# Altium PCB JTAG批量下载板-V1.6-ASCII.PcbDoc (part 9 of 14)
Units mil, origin at the board's own origin, x right, y up, seen from the top; angles counter-clockwise.
Board outline 7947.6 x 7007.76 mil, 2 copper layers (Top Layer, Bottom Layer); 207 components, 340 nets, 1329 pads, 792 vias.
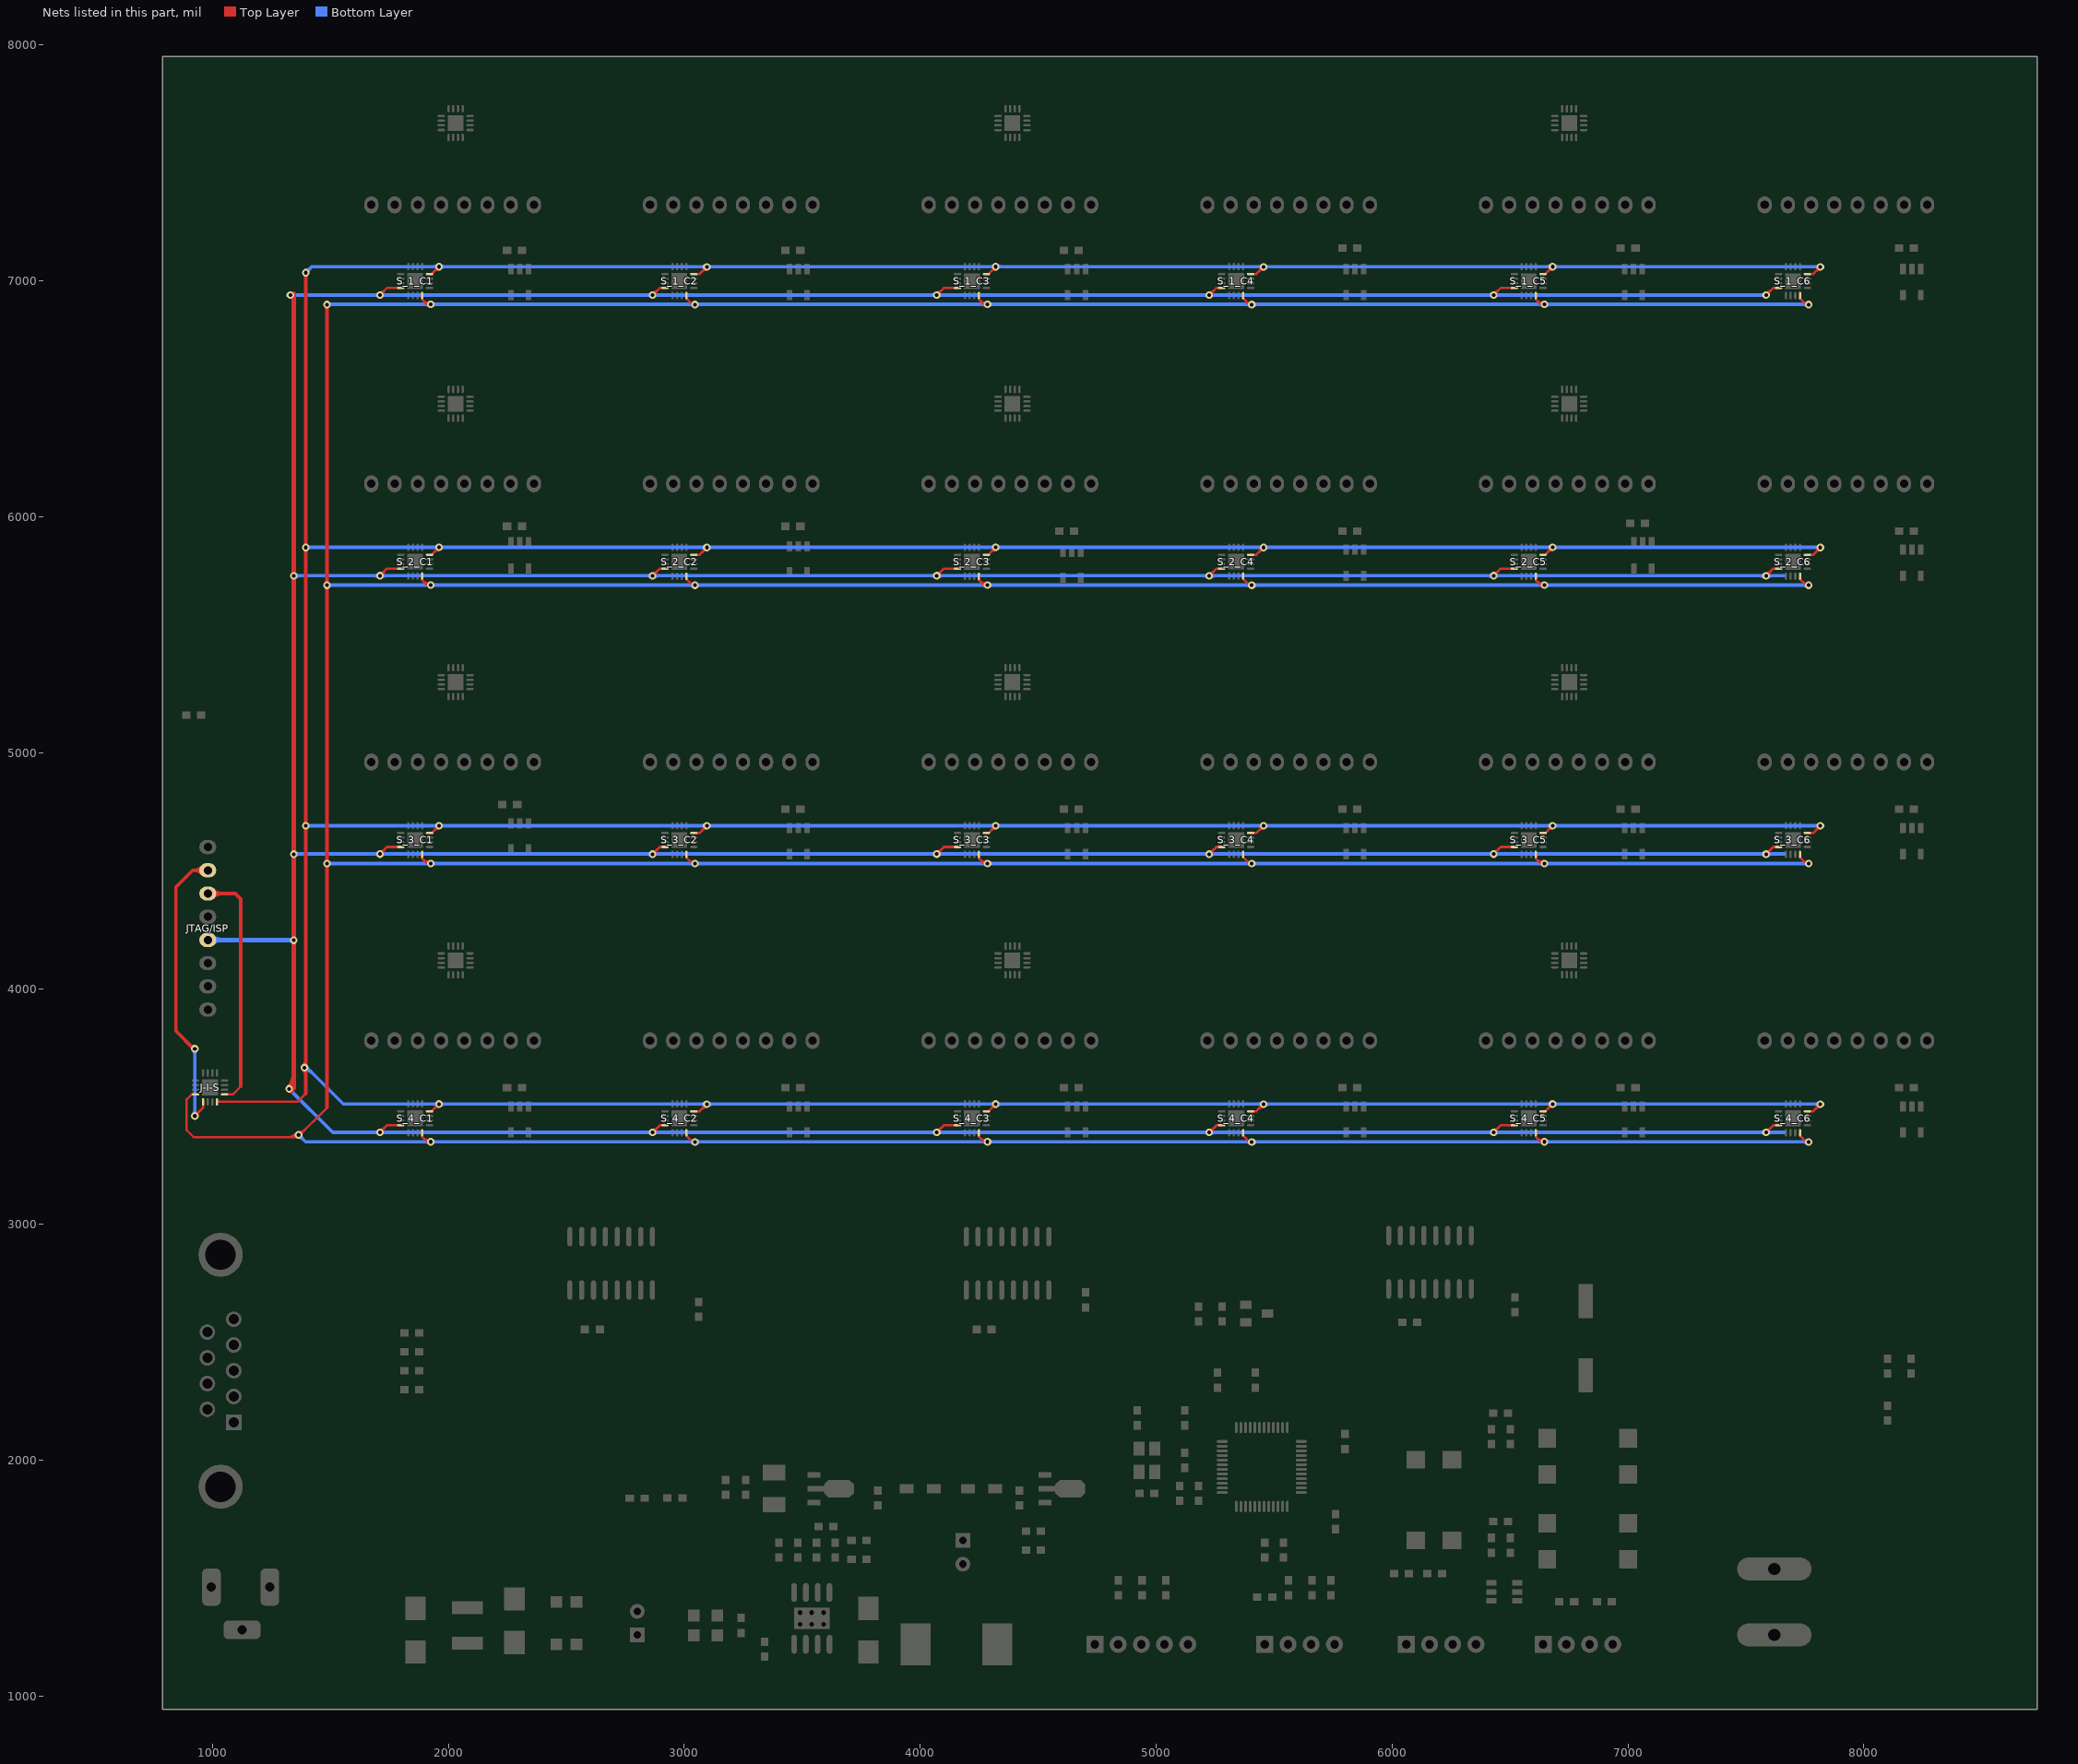
[diagram p9: the nets of this part, all layers, seen from the top]

## Via types
v1: diameter 32, hole 16, Top Layer to Bottom Layer, 721 vias
v2: diameter 50, hole 28, Top Layer to Bottom Layer, 45 vias
v3: diameter 40, hole 20, Top Layer to Bottom Layer, 26 vias

## Nets (pads, with @x,y where several pads share a name; then routed paths per layer and width w, separated by ;. In a path a pad name is that pad's centre, name@x,y a point inside that pad or via, vN(x,y) a via of type N, cw(c..) or ccw(c..) an arc to the next point about the centre after c; other vN are vias at no path point) (continued)
JTAG_TDI: J-I-S.4 S_1_C1.4 S_1_C2.4 S_1_C3.4 S_1_C4.4 S_1_C5.4 S_1_C6.4 S_2_C1.4 S_2_C2.4 S_2_C3.4 S_2_C4.4 S_2_C5.4 S_2_C6.4 S_3_C1.4 S_3_C2.4 S_3_C3.4 S_3_C4.4 S_3_C5.4 S_3_C6.4 S_4_C1.4 S_4_C2.4 S_4_C3.4 S_4_C4.4 S_4_C5.4 S_4_C6.4 | length 36566.6
  Top Layer w10: J-I-S.4@1019.06,3520 1360,3520 1395,3555 ; S_4_C1.4@1920,3479.56 1929.06,3479.61 v1(1960,3510.55) ; S_3_C1.4@1920,4659.56 1929.06,4659.61 v1(1960,4690.55) ; S_2_C1.4@1920,5839.56 1929.06,5839.61 v1(1960,5870.55) ; S_1_C1.4@1920,7029.61 1929.06,7029.61 v1(1960,7060.55) ; S_4_C2.4@3040,3479.56 3064.61,3479.61 v1(3095,3510) ; S_3_C2.4@3040,4659.56 3064.61,4659.61 v1(3095,4690) ; S_2_C2.4@3040,5839.61 3064.61,5839.61 v1(3095,5870) ; S_1_C2.4@3040,7029.61 3064.61,7029.61 v1(3095,7060) ; S_4_C3.4@4280,3479.56 4289.06,3479.61 v1(4320,3510.55) ; S_3_C3.4@4280,4659.56 4289.06,4659.61 v1(4320,4690.55) ; S_2_C3.4@4280,5839.61 4289.06,5839.61 v1(4320,5870.55) ; S_1_C3.4@4280,7029.61 4289.06,7029.61 v1(4320,7060.55) ; S_4_C4.4@5400,3479.56 5424.61,3479.61 v1(5455,3510) ; S_3_C4.4@5400,4659.56 5424.61,4659.61 v1(5455,4690) ; S_2_C4.4@5400,5839.56 5424.61,5839.61 v1(5455,5870) ; S_1_C4.4@5400,7029.56 5424.61,7029.61 v1(5455,7060) ; S_4_C5.4@6640,3479.56 6649.06,3479.61 v1(6680,3510.55) ; S_3_C5.4@6640,4659.56 6649.06,4659.61 v1(6680,4690.55) ; S_2_C5.4@6640,5839.61 6649.06,5839.61 v1(6680,5870.55) ; S_1_C5.4@6640,7029.61 6649.06,7029.61 v1(6680,7060.55) ; S_4_C6.4@7760,3479.56 7784.61,3479.61 v1(7815,3510) ; S_3_C6.4@7760,4659.56 7784.61,4659.61 v1(7815,4690) ; S_2_C6.4@7760,5839.61 7784.61,5839.61 v1(7815,5870) ; S_1_C6.4@7760,7029.61 7784.61,7029.61 v1(7815,7060) ; 1941.22,3491.77 cw(c1960,3472.99) 1960,3499.55 ccw(c1960,3472.99) 1941.22,3491.77 ; 1941.22,3491.77 ccw(c1922.44,3510.55) 1949,3510.55 cw(c1922.44,3510.55) 1941.22,3491.77 ; 1941.22,4671.77 cw(c1960,4652.99) 1960,4679.55 ccw(c1960,4652.99) 1941.22,4671.77 ; 1941.22,4671.77 ccw(c1922.44,4690.55) 1949,4690.55 cw(c1922.44,4690.55) 1941.22,4671.77 ; 1941.22,5851.77 cw(c1960,5832.99) 1960,5859.55 ccw(c1960,5832.99) 1941.22,5851.77 ; 1941.22,5851.77 ccw(c1922.44,5870.55) 1949,5870.55 cw(c1922.44,5870.55) 1941.22,5851.77 ; 1941.22,7041.77 cw(c1960,7022.99) 1960,7049.55 ccw(c1960,7022.99) 1941.22,7041.77 ; 1941.22,7041.77 ccw(c1922.44,7060.55) 1949,7060.55 cw(c1922.44,7060.55) 1941.22,7041.77 ; 3076.22,3491.22 cw(c3095,3472.44) 3095,3499 ccw(c3095,3472.44) 3076.22,3491.22 ; 3076.22,3491.22 ccw(c3057.44,3510) 3084,3510 cw(c3057.44,3510) 3076.22,3491.22 ; 3076.22,4671.22 cw(c3095,4652.44) 3095,4679 ccw(c3095,4652.44) 3076.22,4671.22 ; 3076.22,4671.22 ccw(c3057.44,4690) 3084,4690 cw(c3057.44,4690) 3076.22,4671.22 ; 3076.22,5851.22 cw(c3095,5832.44) 3095,5859 ccw(c3095,5832.44) 3076.22,5851.22 ; 3076.22,5851.22 ccw(c3057.44,5870) 3084,5870 cw(c3057.44,5870) 3076.22,5851.22 ; 3076.22,7041.22 cw(c3095,7022.44) 3095,7049 ccw(c3095,7022.44) 3076.22,7041.22 ; 3076.22,7041.22 ccw(c3057.44,7060) 3084,7060 cw(c3057.44,7060) 3076.22,7041.22 ; 4301.22,3491.77 cw(c4320,3472.99) 4320,3499.55 ccw(c4320,3472.99) 4301.22,3491.77 ; 4301.22,3491.77 ccw(c4282.44,3510.55) 4309,3510.55 cw(c4282.44,3510.55) 4301.22,3491.77 ; 4301.22,4671.77 cw(c4320,4652.99) 4320,4679.55 ccw(c4320,4652.99) 4301.22,4671.77 ; 4301.22,4671.77 ccw(c4282.44,4690.55) 4309,4690.55 cw(c4282.44,4690.55) 4301.22,4671.77 ; 4301.22,5851.77 cw(c4320,5832.99) 4320,5859.55 ccw(c4320,5832.99) 4301.22,5851.77 ; 4301.22,5851.77 ccw(c4282.44,5870.55) 4309,5870.55 cw(c4282.44,5870.55) 4301.22,5851.77 ; 4301.22,7041.77 cw(c4320,7022.99) 4320,7049.55 ccw(c4320,7022.99) 4301.22,7041.77 ; 4301.22,7041.77 ccw(c4282.44,7060.55) 4309,7060.55 cw(c4282.44,7060.55) 4301.22,7041.77 ; 5436.22,3491.22 cw(c5455,3472.44) 5455,3499 ccw(c5455,3472.44) 5436.22,3491.22 ; 5436.22,3491.22 ccw(c5417.44,3510) 5444,3510 cw(c5417.44,3510) 5436.22,3491.22 ; 5436.22,4671.22 cw(c5455,4652.44) 5455,4679 ccw(c5455,4652.44) 5436.22,4671.22 ; 5436.22,4671.22 ccw(c5417.44,4690) 5444,4690 cw(c5417.44,4690) 5436.22,4671.22 ; 5436.22,5851.22 cw(c5455,5832.44) 5455,5859 ccw(c5455,5832.44) 5436.22,5851.22 ; 5436.22,5851.22 ccw(c5417.44,5870) 5444,5870 cw(c5417.44,5870) 5436.22,5851.22 ; 5436.22,7041.22 cw(c5455,7022.44) 5455,7049 ccw(c5455,7022.44) 5436.22,7041.22 ; 5436.22,7041.22 ccw(c5417.44,7060) 5444,7060 cw(c5417.44,7060) 5436.22,7041.22 ; 6661.22,3491.77 cw(c6680,3472.99) 6680,3499.55 ccw(c6680,3472.99) 6661.22,3491.77 ; 6661.22,3491.77 ccw(c6642.44,3510.55) 6669,3510.55 cw(c6642.44,3510.55) 6661.22,3491.77 ; 6661.22,4671.77 cw(c6680,4652.99) 6680,4679.55 ccw(c6680,4652.99) 6661.22,4671.77 ; 6661.22,4671.77 ccw(c6642.44,4690.55) 6669,4690.55 cw(c6642.44,4690.55) 6661.22,4671.77 ; 6661.22,5851.77 cw(c6680,5832.99) 6680,5859.55 ccw(c6680,5832.99) 6661.22,5851.77 ; 6661.22,5851.77 ccw(c6642.44,5870.55) 6669,5870.55 cw(c6642.44,5870.55) 6661.22,5851.77 ; 6661.22,7041.77 cw(c6680,7022.99) 6680,7049.55 ccw(c6680,7022.99) 6661.22,7041.77 ; 6661.22,7041.77 ccw(c6642.44,7060.55) 6669,7060.55 cw(c6642.44,7060.55) 6661.22,7041.77 ; 7796.22,3491.22 cw(c7815,3472.44) 7815,3499 ccw(c7815,3472.44) 7796.22,3491.22 ; 7796.22,3491.22 ccw(c7777.44,3510) 7804,3510 cw(c7777.44,3510) 7796.22,3491.22 ; 7796.22,4671.22 cw(c7815,4652.44) 7815,4679 ccw(c7815,4652.44) 7796.22,4671.22 ; 7796.22,4671.22 ccw(c7777.44,4690) 7804,4690 cw(c7777.44,4690) 7796.22,4671.22 ; 7796.22,5851.22 cw(c7815,5832.44) 7815,5859 ccw(c7815,5832.44) 7796.22,5851.22 ; 7796.22,5851.22 ccw(c7777.44,5870) 7804,5870 cw(c7777.44,5870) 7796.22,5851.22 ; 7796.22,7041.22 cw(c7815,7022.44) 7815,7049 ccw(c7815,7022.44) 7796.22,7041.22 ; 7796.22,7041.22 ccw(c7777.44,7060) 7804,7060 cw(c7777.44,7060) 7796.22,7041.22
  Top Layer w15: 1395,3555 v1@1395,7030 ; 1395,4669.48 cw(c1415.52,4669.48) 1401.01,4683.99 ccw(c1415.52,4669.48) 1395,4669.48 ; 1395,4669.48 ccw(c1374.48,4669.48) 1388.99,4683.99 cw(c1374.48,4669.48) 1395,4669.48 ; 1395,4710.52 cw(c1374.48,4710.52) 1388.99,4696.01 ccw(c1374.48,4710.52) 1395,4710.52 ; 1395,4710.52 ccw(c1415.52,4710.52) 1401.01,4696.01 cw(c1415.52,4710.52) 1395,4710.52 ; 1395,5849.48 cw(c1415.52,5849.48) 1401.01,5863.99 ccw(c1415.52,5849.48) 1395,5849.48 ; 1395,5849.48 ccw(c1374.48,5849.48) 1388.99,5863.99 cw(c1374.48,5849.48) 1395,5849.48 ; 1395,5890.52 cw(c1374.48,5890.52) 1388.99,5876.01 ccw(c1374.48,5890.52) 1395,5890.52 ; 1395,5890.52 ccw(c1415.52,5890.52) 1401.01,5876.01 cw(c1415.52,5890.52) 1395,5890.52 ; 1395,7014.48 cw(c1415.52,7014.48) 1401.01,7028.99 ccw(c1415.52,7014.48) 1395,7014.48 ; 1395,7014.48 ccw(c1374.48,7014.48) 1388.99,7028.99 cw(c1374.48,7014.48) 1395,7014.48 ; v1@1383.99,3658.99 cw(c1357.41,3632.41) 1395,3632.41 ccw(c1357.41,3632.41) v1@1383.99,3658.99 ; v1@1383.99,3671.01 ccw(c1357.41,3697.59) 1395,3697.59 cw(c1357.41,3697.59) v1@1383.99,3671.01
  Bottom Layer w15: v1@1390,3656.5 cw(c1390,3611.84) 1421.58,3643.42 ; v1(1395,7035) 1420.55,7060.55 v1@7815,7060.55 ; v1@1395.55,4690.55 v1@7815,4690.55 ; v1@1395.55,5870.55 v1@7815,5870.55 ; v1@1400,3665 1554.45,3510.55 v1@7815,3510.55 ; 1409.51,7049.51 cw(c1395,7064.02) 1395,7043.5 ccw(c1395,7064.02) 1409.51,7049.51 ; 1409.51,7049.51 ccw(c1424.02,7035) 1403.5,7035 cw(c1424.02,7035) 1409.51,7049.51 ; 1939.48,3510.55 cw(c1939.48,3490.03) 1953.99,3504.54 ccw(c1939.48,3490.03) 1939.48,3510.55 ; 1939.48,3510.55 ccw(c1939.48,3531.07) 1953.99,3516.56 cw(c1939.48,3531.07) 1939.48,3510.55 ; 1939.48,4690.55 cw(c1939.48,4670.03) 1953.99,4684.54 ccw(c1939.48,4670.03) 1939.48,4690.55 ; 1939.48,4690.55 ccw(c1939.48,4711.07) 1953.99,4696.56 cw(c1939.48,4711.07) 1939.48,4690.55 ; 1939.48,5870.55 cw(c1939.48,5850.03) 1953.99,5864.54 ccw(c1939.48,5850.03) 1939.48,5870.55 ; 1939.48,5870.55 ccw(c1939.48,5891.07) 1953.99,5876.56 cw(c1939.48,5891.07) 1939.48,5870.55 ; 1939.48,7060.55 cw(c1939.48,7040.03) 1953.99,7054.54 ccw(c1939.48,7040.03) 1939.48,7060.55 ; 1939.48,7060.55 ccw(c1939.48,7081.07) 1953.99,7066.56 cw(c1939.48,7081.07) 1939.48,7060.55 ; 1980.52,3510.55 cw(c1980.52,3531.07) 1966.01,3516.56 ccw(c1980.52,3531.07) 1980.52,3510.55 ; 1980.52,3510.55 ccw(c1980.52,3490.03) 1966.01,3504.54 cw(c1980.52,3490.03) 1980.52,3510.55 ; 1980.52,4690.55 cw(c1980.52,4711.07) 1966.01,4696.56 ccw(c1980.52,4711.07) 1980.52,4690.55 ; 1980.52,4690.55 ccw(c1980.52,4670.03) 1966.01,4684.54 cw(c1980.52,4670.03) 1980.52,4690.55 ; 1980.52,5870.55 cw(c1980.52,5891.07) 1966.01,5876.56 ccw(c1980.52,5891.07) 1980.52,5870.55 ; 1980.52,5870.55 ccw(c1980.52,5850.03) 1966.01,5864.54 cw(c1980.52,5850.03) 1980.52,5870.55 ; 1980.52,7060.55 cw(c1980.52,7081.07) 1966.01,7066.56 ccw(c1980.52,7081.07) 1980.52,7060.55 ; 1980.52,7060.55 ccw(c1980.52,7040.03) 1966.01,7054.54 cw(c1980.52,7040.03) 1980.52,7060.55 ; 4299.48,3510.55 cw(c4299.48,3490.03) 4313.99,3504.54 ccw(c4299.48,3490.03) 4299.48,3510.55 ; 4299.48,3510.55 ccw(c4299.48,3531.07) 4313.99,3516.56 cw(c4299.48,3531.07) 4299.48,3510.55 ; 4299.48,4690.55 cw(c4299.48,4670.03) 4313.99,4684.54 ccw(c4299.48,4670.03) 4299.48,4690.55 ; 4299.48,4690.55 ccw(c4299.48,4711.07) 4313.99,4696.56 cw(c4299.48,4711.07) 4299.48,4690.55 ; 4299.48,5870.55 cw(c4299.48,5850.03) 4313.99,5864.54 ccw(c4299.48,5850.03) 4299.48,5870.55 ; 4299.48,5870.55 ccw(c4299.48,5891.07) 4313.99,5876.56 cw(c4299.48,5891.07) 4299.48,5870.55 ; 4299.48,7060.55 cw(c4299.48,7040.03) 4313.99,7054.54 ccw(c4299.48,7040.03) 4299.48,7060.55 ; 4299.48,7060.55 ccw(c4299.48,7081.07) 4313.99,7066.56 cw(c4299.48,7081.07) 4299.48,7060.55 ; 4340.52,3510.55 cw(c4340.52,3531.07) 4326.01,3516.56 ccw(c4340.52,3531.07) 4340.52,3510.55 ; 4340.52,3510.55 ccw(c4340.52,3490.03) 4326.01,3504.54 cw(c4340.52,3490.03) 4340.52,3510.55 ; 4340.52,4690.55 cw(c4340.52,4711.07) 4326.01,4696.56 ccw(c4340.52,4711.07) 4340.52,4690.55 ; 4340.52,4690.55 ccw(c4340.52,4670.03) 4326.01,4684.54 cw(c4340.52,4670.03) 4340.52,4690.55 ; 4340.52,5870.55 cw(c4340.52,5891.07) 4326.01,5876.56 ccw(c4340.52,5891.07) 4340.52,5870.55 ; 4340.52,5870.55 ccw(c4340.52,5850.03) 4326.01,5864.54 cw(c4340.52,5850.03) 4340.52,5870.55 ; 4340.52,7060.55 cw(c4340.52,7081.07) 4326.01,7066.56 ccw(c4340.52,7081.07) 4340.52,7060.55 ; 4340.52,7060.55 ccw(c4340.52,7040.03) 4326.01,7054.54 cw(c4340.52,7040.03) 4340.52,7060.55 ; 6659.48,3510.55 cw(c6659.48,3490.03) 6673.99,3504.54 ccw(c6659.48,3490.03) 6659.48,3510.55 ; 6659.48,3510.55 ccw(c6659.48,3531.07) 6673.99,3516.56 cw(c6659.48,3531.07) 6659.48,3510.55 ; 6659.48,4690.55 cw(c6659.48,4670.03) 6673.99,4684.54 ccw(c6659.48,4670.03) 6659.48,4690.55 ; 6659.48,4690.55 ccw(c6659.48,4711.07) 6673.99,4696.56 cw(c6659.48,4711.07) 6659.48,4690.55 ; 6659.48,5870.55 cw(c6659.48,5850.03) 6673.99,5864.54 ccw(c6659.48,5850.03) 6659.48,5870.55 ; 6659.48,5870.55 ccw(c6659.48,5891.07) 6673.99,5876.56 cw(c6659.48,5891.07) 6659.48,5870.55 ; 6659.48,7060.55 cw(c6659.48,7040.03) 6673.99,7054.54 ccw(c6659.48,7040.03) 6659.48,7060.55 ; 6659.48,7060.55 ccw(c6659.48,7081.07) 6673.99,7066.56 cw(c6659.48,7081.07) 6659.48,7060.55 ; 6700.52,3510.55 cw(c6700.52,3531.07) 6686.01,3516.56 ccw(c6700.52,3531.07) 6700.52,3510.55 ; 6700.52,3510.55 ccw(c6700.52,3490.03) 6686.01,3504.54 cw(c6700.52,3490.03) 6700.52,3510.55 ; 6700.52,4690.55 cw(c6700.52,4711.07) 6686.01,4696.56 ccw(c6700.52,4711.07) 6700.52,4690.55 ; 6700.52,4690.55 ccw(c6700.52,4670.03) 6686.01,4684.54 cw(c6700.52,4670.03) 6700.52,4690.55 ; 6700.52,5870.55 cw(c6700.52,5891.07) 6686.01,5876.56 ccw(c6700.52,5891.07) 6700.52,5870.55 ; 6700.52,5870.55 ccw(c6700.52,5850.03) 6686.01,5864.54 cw(c6700.52,5850.03) 6700.52,5870.55 ; 6700.52,7060.55 cw(c6700.52,7081.07) 6686.01,7066.56 ccw(c6700.52,7081.07) 6700.52,7060.55 ; 6700.52,7060.55 ccw(c6700.52,7040.03) 6686.01,7054.54 cw(c6700.52,7040.03) 6700.52,7060.55 ; v1@1401.01,4683.99 cw(c1416.85,4668.15) 1416.85,4690.55 ccw(c1416.85,4668.15) v1@1401.01,4683.99 ; v1@1401.01,4696.01 ccw(c1414.19,4709.19) 1414.19,4690.55 cw(c1414.19,4709.19) v1@1401.01,4696.01 ; v1@1401.01,5863.99 cw(c1416.85,5848.15) 1416.85,5870.55 ccw(c1416.85,5848.15) v1@1401.01,5863.99 ; v1@1401.01,5876.01 ccw(c1414.19,5889.19) 1414.19,5870.55 cw(c1414.19,5889.19) v1@1401.01,5876.01 ; 3073.15,3510.55 cw(c3073.15,3488.15) 3088.99,3503.99 ccw(c3073.15,3488.15) 3073.15,3510.55 ; 3073.15,4690.55 cw(c3073.15,4668.15) 3088.99,4683.99 ccw(c3073.15,4668.15) 3073.15,4690.55 ; 3073.15,5870.55 cw(c3073.15,5848.15) 3088.99,5863.99 ccw(c3073.15,5848.15) 3073.15,5870.55 ; 3073.15,7060.55 cw(c3073.15,7038.15) 3088.99,7053.99 ccw(c3073.15,7038.15) 3073.15,7060.55 ; 3075.81,3510.55 ccw(c3075.81,3529.19) 3088.99,3516.01 cw(c3075.81,3529.19) 3075.81,3510.55 ; 3075.81,4690.55 ccw(c3075.81,4709.19) 3088.99,4696.01 cw(c3075.81,4709.19) 3075.81,4690.55 ; 3075.81,5870.55 ccw(c3075.81,5889.19) 3088.99,5876.01 cw(c3075.81,5889.19) 3075.81,5870.55 ; 3075.81,7060.55 ccw(c3075.81,7079.19) 3088.99,7066.01 cw(c3075.81,7079.19) 3075.81,7060.55 ; v1@3101.01,3503.99 cw(c3116.85,3488.15) 3116.85,3510.55 ccw(c3116.85,3488.15) v1@3101.01,3503.99 ; v1@3101.01,3516.01 ccw(c3114.19,3529.19) 3114.19,3510.55 cw(c3114.19,3529.19) v1@3101.01,3516.01 ; v1@3101.01,4683.99 cw(c3116.85,4668.15) 3116.85,4690.55 ccw(c3116.85,4668.15) v1@3101.01,4683.99 ; v1@3101.01,4696.01 ccw(c3114.19,4709.19) 3114.19,4690.55 cw(c3114.19,4709.19) v1@3101.01,4696.01 ; v1@3101.01,5863.99 cw(c3116.85,5848.15) 3116.85,5870.55 ccw(c3116.85,5848.15) v1@3101.01,5863.99 ; v1@3101.01,5876.01 ccw(c3114.19,5889.19) 3114.19,5870.55 cw(c3114.19,5889.19) v1@3101.01,5876.01 ; v1@3101.01,7053.99 cw(c3116.85,7038.15) 3116.85,7060.55 ccw(c3116.85,7038.15) v1@3101.01,7053.99 ; v1@3101.01,7066.01 ccw(c3114.19,7079.19) 3114.19,7060.55 cw(c3114.19,7079.19) v1@3101.01,7066.01 ; 5433.15,3510.55 cw(c5433.15,3488.15) 5448.99,3503.99 ccw(c5433.15,3488.15) 5433.15,3510.55 ; 5433.15,4690.55 cw(c5433.15,4668.15) 5448.99,4683.99 ccw(c5433.15,4668.15) 5433.15,4690.55 ; 5433.15,5870.55 cw(c5433.15,5848.15) 5448.99,5863.99 ccw(c5433.15,5848.15) 5433.15,5870.55 ; 5433.15,7060.55 cw(c5433.15,7038.15) 5448.99,7053.99 ccw(c5433.15,7038.15) 5433.15,7060.55 ; 5435.81,3510.55 ccw(c5435.81,3529.19) 5448.99,3516.01 cw(c5435.81,3529.19) 5435.81,3510.55 ; 5435.81,4690.55 ccw(c5435.81,4709.19) 5448.99,4696.01 cw(c5435.81,4709.19) 5435.81,4690.55 ; 5435.81,5870.55 ccw(c5435.81,5889.19) 5448.99,5876.01 cw(c5435.81,5889.19) 5435.81,5870.55 ; 5435.81,7060.55 ccw(c5435.81,7079.19) 5448.99,7066.01 cw(c5435.81,7079.19) 5435.81,7060.55 ; v1@5461.01,3503.99 cw(c5476.85,3488.15) 5476.85,3510.55 ccw(c5476.85,3488.15) v1@5461.01,3503.99 ; v1@5461.01,3516.01 ccw(c5474.19,3529.19) 5474.19,3510.55 cw(c5474.19,3529.19) v1@5461.01,3516.01 ; v1@5461.01,4683.99 cw(c5476.85,4668.15) 5476.85,4690.55 ccw(c5476.85,4668.15) v1@5461.01,4683.99 ; v1@5461.01,4696.01 ccw(c5474.19,4709.19) 5474.19,4690.55 cw(c5474.19,4709.19) v1@5461.01,4696.01 ; v1@5461.01,5863.99 cw(c5476.85,5848.15) 5476.85,5870.55 ccw(c5476.85,5848.15) v1@5461.01,5863.99 ; v1@5461.01,5876.01 ccw(c5474.19,5889.19) 5474.19,5870.55 cw(c5474.19,5889.19) v1@5461.01,5876.01 ; v1@5461.01,7053.99 cw(c5476.85,7038.15) 5476.85,7060.55 ccw(c5476.85,7038.15) v1@5461.01,7053.99 ; v1@5461.01,7066.01 ccw(c5474.19,7079.19) 5474.19,7060.55 cw(c5474.19,7079.19) v1@5461.01,7066.01 ; 7793.15,3510.55 cw(c7793.15,3488.15) 7808.99,3503.99 ccw(c7793.15,3488.15) 7793.15,3510.55 ; 7793.15,4690.55 cw(c7793.15,4668.15) 7808.99,4683.99 ccw(c7793.15,4668.15) 7793.15,4690.55 ; 7793.15,5870.55 cw(c7793.15,5848.15) 7808.99,5863.99 ccw(c7793.15,5848.15) 7793.15,5870.55 ; 7793.15,7060.55 cw(c7793.15,7038.15) 7808.99,7053.99 ccw(c7793.15,7038.15) 7793.15,7060.55 ; 7795.81,3510.55 ccw(c7795.81,3529.19) 7808.99,3516.01 cw(c7795.81,3529.19) 7795.81,3510.55 ; 7795.81,4690.55 ccw(c7795.81,4709.19) 7808.99,4696.01 cw(c7795.81,4709.19) 7795.81,4690.55 ; 7795.81,5870.55 ccw(c7795.81,5889.19) 7808.99,5876.01 cw(c7795.81,5889.19) 7795.81,5870.55 ; 7795.81,7060.55 ccw(c7795.81,7079.19) 7808.99,7066.01 cw(c7795.81,7079.19) 7795.81,7060.55
  other v1: 1390,3665 1395,4690 1395,5870
JTAG_TDI_1: J-I-S.5 JTAG/ISP.3 | length 1113.2
  Top Layer w10: J-I-S.5@1050.55,3551.5 1086.5,3551.5 1120,3585
  Top Layer w15: JTAG/ISP.3@980,4403.15 1096.85,4403.15 1120,4380 1120,3585 ; JTAG/ISP.3@1001.91,4387.24 cw(c1040.32,4348.83) 1040.32,4403.15 cw(c1040.32,4457.47) JTAG/ISP.3@1001.91,4419.06
JTAG_TDO: J-I-S.16 S_1_C1.16 S_1_C2.16 S_1_C3.16 S_1_C4.16 S_1_C5.16 S_1_C6.16 S_2_C1.16 S_2_C2.16 S_2_C3.16 S_2_C4.16 S_2_C5.16 S_2_C6.16 S_3_C1.16 S_3_C2.16 S_3_C3.16 S_3_C4.16 S_3_C5.16 S_3_C6.16 S_4_C1.16 S_4_C2.16 S_4_C3.16 S_4_C4.16 S_4_C5.16 S_4_C6.16 | length 35647.4
  Top Layer w10: J-I-S.16@928.5,3551.5 911.5,3551.5 890,3530 890,3400 920,3370 1360,3370 1485,3495 ; 1314.3,3370 ccw(c1314.3,3430.7) v1@1357.22,3387.78 ; 1338.44,3370 ccw(c1338.44,3406.56) v1@1364.29,3380.71 ; v1@1365,3391 ccw(c1365,3429.63) 1392.31,3402.31 ; v1@1376,3380 cw(c1390.49,3380) 1380.24,3390.24 ; S_4_C1.16@1888.5,3389.06 1888.5,3372.05 1915,3345.55 v1(1925,3350.55) ; S_3_C1.16@1888.5,4569.06 1888.5,4552.05 1915,4525.55 v1(1925,4530.55) ; S_2_C1.16@1888.5,5749 1888.5,5732.05 1915,5705.55 v1(1925,5710.55) ; S_1_C1.16@1888.5,6939.06 1888.5,6922.05 1915,6895.55 v1(1925,6900.55) ; S_4_C2.16@3008.5,3389.06 3008.5,3376.5 3035,3350 v1(3045,3350) ; S_3_C2.16@3008.5,4569.06 3008.5,4556.5 3035,4530 v1(3045,4530) ; S_2_C2.16@3008.5,5749.06 3008.5,5736.5 3035,5710 v1(3045,5710) ; S_1_C2.16@3008.5,6939.06 3008.5,6926.5 3035,6900 v1(3045,6900) ; S_4_C3.16@4248.5,3389.06 4248.5,3372.05 4275,3345.55 v1(4285,3350.55) ; S_3_C3.16@4248.5,4569.06 4248.5,4552.05 4275,4525.55 v1(4285,4530.55) ; S_2_C3.16@4248.5,5749.06 4248.5,5732.05 4275,5705.55 v1(4285,5710.55) ; S_1_C3.16@4248.5,6939.06 4248.5,6922.05 4275,6895.55 v1(4285,6900.55) ; S_4_C4.16@5368.5,3389.06 5368.5,3376.5 5395,3350 v1(5405,3350) ; S_3_C4.16@5368.5,4569.06 5368.5,4556.5 5395,4530 v1(5405,4530) ; S_2_C4.16@5368.5,5749.06 5368.5,5736.5 5395,5710 v1(5405,5710) ; S_1_C4.16@5368.5,6939.06 5368.5,6926.5 5395,6900 v1(5405,6900) ; S_4_C5.16@6608.5,3389.06 6608.5,3372.05 6635,3345.55 v1(6645,3350.55) ; S_3_C5.16@6608.5,4569.06 6608.5,4552.05 6635,4525.55 v1(6645,4530.55) ; S_2_C5.16@6608.5,5749.06 6608.5,5732.05 6635,5705.55 v1(6645,5710.55) ; S_1_C5.16@6608.5,6939.06 6608.5,6922.05 6635,6895.55 v1(6645,6900.55) ; S_4_C6.16@7728.5,3389.06 7728.5,3376.5 7755,3350 v1(7765,3350) ; S_3_C6.16@7728.5,4569.06 7728.5,4556.5 7755,4530 v1(7765,4530) ; S_2_C6.16@7728.5,5749.06 7728.5,5736.5 7755,5710 v1(7765,5710) ; S_1_C6.16@7728.5,6939.06 7728.5,6926.5 7755,6900 v1(7765,6900) ; 1896,3364.55 ccw(c1910.99,3379.53) 1920.21,3360.45 cw(c1910.99,3379.53) 1896,3364.55 ; 1896,4544.55 ccw(c1910.99,4559.53) 1920.21,4540.45 cw(c1910.99,4559.53) 1896,4544.55 ; 1896,5724.55 ccw(c1910.99,5739.53) 1920.21,5720.45 cw(c1910.99,5739.53) 1896,5724.55 ; 1896,6914.55 ccw(c1910.99,6929.53) 1920.21,6910.45 cw(c1910.99,6929.53) 1896,6914.55 ; 1905.95,3354.6 ccw(c1917.47,3366.12) 1924.56,3351.45 cw(c1917.47,3366.12) 1905.95,3354.6 ; 1905.95,4534.6 ccw(c1917.47,4546.12) 1924.56,4531.45 cw(c1917.47,4546.12) 1905.95,4534.6 ; 1905.95,5714.6 ccw(c1917.47,5726.12) 1924.56,5711.45 cw(c1917.47,5726.12) 1905.95,5714.6 ; 1905.95,6904.6 ccw(c1917.47,6916.12) 1924.56,6901.45 cw(c1917.47,6916.12) 1905.95,6904.6 ; 4256,3364.55 ccw(c4270.99,3379.53) 4280.21,3360.45 cw(c4270.99,3379.53) 4256,3364.55 ; 4256,4544.55 ccw(c4270.99,4559.53) 4280.21,4540.45 cw(c4270.99,4559.53) 4256,4544.55 ; 4256,5724.55 ccw(c4270.99,5739.53) 4280.21,5720.45 cw(c4270.99,5739.53) 4256,5724.55 ; 4256,6914.55 ccw(c4270.99,6929.53) 4280.21,6910.45 cw(c4270.99,6929.53) 4256,6914.55 ; 4265.95,3354.6 ccw(c4277.47,3366.12) 4284.56,3351.45 cw(c4277.47,3366.12) 4265.95,3354.6 ; 4265.95,4534.6 ccw(c4277.47,4546.12) 4284.56,4531.45 cw(c4277.47,4546.12) 4265.95,4534.6 ; 4265.95,5714.6 ccw(c4277.47,5726.12) 4284.56,5711.45 cw(c4277.47,5726.12) 4265.95,5714.6 ; 4265.95,6904.6 ccw(c4277.47,6916.12) 4284.56,6901.45 cw(c4277.47,6916.12) 4265.95,6904.6 ; 6616,3364.55 ccw(c6630.99,3379.53) 6640.21,3360.45 cw(c6630.99,3379.53) 6616,3364.55 ; 6616,4544.55 ccw(c6630.99,4559.53) 6640.21,4540.45 cw(c6630.99,4559.53) 6616,4544.55 ; 6616,5724.55 ccw(c6630.99,5739.53) 6640.21,5720.45 cw(c6630.99,5739.53) 6616,5724.55 ; 6616,6914.55 ccw(c6630.99,6929.53) 6640.21,6910.45 cw(c6630.99,6929.53) 6616,6914.55 ; 6625.95,3354.6 ccw(c6637.47,3366.12) 6644.56,3351.45 cw(c6637.47,3366.12) 6625.95,3354.6 ; 6625.95,4534.6 ccw(c6637.47,4546.12) 6644.56,4531.45 cw(c6637.47,4546.12) 6625.95,4534.6 ; 6625.95,5714.6 ccw(c6637.47,5726.12) 6644.56,5711.45 cw(c6637.47,5726.12) 6625.95,5714.6 ; 6625.95,6904.6 ccw(c6637.47,6916.12) 6644.56,6901.45 cw(c6637.47,6916.12) 6625.95,6904.6